# Allegro board S071AA-0413-20260427_Power.brd (continued)
## Nets (continued)
D10309: D103.09
D10310: D103.10
D10311: D103.11
D10312: D103.12
D10313: D103.13
D10314: D103.14
D10315: D103.15
D10316: D103.16
D10401: D104.01
D10402: D104.02
D10403: D104.03
D10404: D104.04
D10405: D104.05
D10406: D104.06
D10407: D104.07
D10408: D104.08
D10409: D104.09
D10410: D104.10
D10411: D104.11
D10412: D104.12
D10413: D104.13
D10414: D104.14
D10415: D104.15
D10416: D104.16
D10501: D105.01
D10502: D105.02
D10503: D105.03
D10504: D105.04
D10505: D105.05
D10506: D105.06
D10507: D105.07
D10508: D105.08
D10509: D105.09
D10510: D105.10
D10511: D105.11
D10512: D105.12
D10513: D105.13
D10514: D105.14
D10515: D105.15
D10516: D105.16
D10601: D106.01
D10602: D106.02
D10603: D106.03
D10604: D106.04
D10605: D106.05
D10606: D106.06
D10607: D106.07
D10608: D106.08
D10609: D106.09
D10610: D106.10
D10611: D106.11
D10612: D106.12
D10613: D106.13
D10614: D106.14
D10615: D106.15
D10616: D106.16
D10701: D107.01
D10702: D107.02
D10703: D107.03
D10704: D107.04
D10705: D107.05
D10706: D107.06
D10707: D107.07
D10708: D107.08
D10709: D107.09
D10710: D107.10
D10711: D107.11
D10712: D107.12
D10713: D107.13
D10714: D107.14
D10715: D107.15
D10716: D107.16
D10801: D108.01
D10802: D108.02
D10803: D108.03
D10804: D108.04
D10805: D108.05
D10806: D108.06
D10807: D108.07
D10808: D108.08
D10809: D108.09
D10810: D108.10
D10811: D108.11
D10812: D108.12
D10813: D108.13
D10814: D108.14
D10815: D108.15
D10816: D108.16
D10901: D109.01
D10902: D109.02
D10903: D109.03
D10904: D109.04
D10905: D109.05
D10906: D109.06
D10907: D109.07
D10908: D109.08
D10909: D109.09
D10910: D109.10
D10911: D109.11
D10912: D109.12
D10913: D109.13
D10914: D109.14
D10915: D109.15
D10916: D109.16
D11001: D110.01
D11002: D110.02
D11003: D110.03
D11004: D110.04
D11005: D110.05
D11006: D110.06
D11007: D110.07
D11008: D110.08
D11009: D110.09
D11010: D110.10
D11011: D110.11
D11012: D110.12
D11013: D110.13
D11014: D110.14
D11015: D110.15
D11016: D110.16
D11101: D111.01
D11102: D111.02
D11103: D111.03
D11104: D111.04
D11105: D111.05
D11106: D111.06
D11107: D111.07
D11108: D111.08
D11109: D111.09
D11110: D111.10
D11111: D111.11
D11112: D111.12
D11113: D111.13
D11114: D111.14
D11115: D111.15
D11116: D111.16
D11201: D112.01
D11202: D112.02
D11203: D112.03
D11204: D112.04
D11205: D112.05
D11206: D112.06
D11207: D112.07
D11208: D112.08
D11209: D112.09
D11210: D112.10
D11211: D112.11
D11212: D112.12
D11213: D112.13
D11214: D112.14
D11215: D112.15
D11216: D112.16
D11301: D113.01
D11302: D113.02
D11303: D113.03
D11304: D113.04
D11305: D113.05
D11306: D113.06
D11307: D113.07
D11308: D113.08
D11309: D113.09
D11310: D113.10
D11311: D113.11
D11312: D113.12
D11313: D113.13
D11314: D113.14
D11315: D113.15
D11316: D113.16
D11401: D114.01
D11402: D114.02
D11403: D114.03
D11404: D114.04
D11405: D114.05
D11406: D114.06
D11407: D114.07
D11408: D114.08
D11409: D114.09
D11410: D114.10
D11411: D114.11
D11412: D114.12
D11413: D114.13
D11414: D114.14
D11415: D114.15
D11416: D114.16
D11501: D115.01
D11502: D115.02
D11503: D115.03
D11504: D115.04
D11505: D115.05
D11506: D115.06
D11507: D115.07
D11508: D115.08
D11509: D115.09
D11510: D115.10
D11511: D115.11
D11512: D115.12
D11513: D115.13
D11514: D115.14
D11515: D115.15
D11516: D115.16
D11601: D116.01
D11602: D116.02
D11603: D116.03
D11604: D116.04
D11605: D116.05
D11606: D116.06
D11607: D116.07
D11608: D116.08
D11609: D116.09
D11610: D116.10
D11611: D116.11
D11612: D116.12
D11613: D116.13
D11614: D116.14
D11615: D116.15
D11616: D116.16 TR2.2 TR3.2
D11701: D117.01
D11702: D117.02
D11703: D117.03
D11704: D117.04
D11705: D117.05
D11706: D117.06
D11707: D117.07
D11708: D117.08
D11709: D117.09
D11710: D117.10
D11711: D117.11
D11712: D117.12
D11713: D117.13
D11714: D117.14
D11715: D117.15
D11716: D117.16
D11801: D118.01
D11802: D118.02
D11803: D118.03
D11804: D118.04
D11805: D118.05
D11806: D118.06
D11807: D118.07
D11808: D118.08
D11809: D118.09
D11810: D118.10
D11811: D118.11
D11812: D118.12
D11813: D118.13
D11814: D118.14
D11815: D118.15
D11816: D118.16
D11901: D119.01
D11902: D119.02
D11903: D119.03
D11904: D119.04
D11905: D119.05
D11906: D119.06
D11907: D119.07
D11908: D119.08
D11909: D119.09
D11910: D119.10
D11911: D119.11
D11912: D119.12
D11913: D119.13
D11914: D119.14
D11915: D119.15
D11916: D119.16
D12001: D120.01
D12002: D120.02
D12003: D120.03
D12004: D120.04
D12005: D120.05
D12006: D120.06
D12007: D120.07
D12008: D120.08
D12009: D120.09
D12010: D120.10
D12011: D120.11
D12012: D120.12
D12013: D120.13
D12014: D120.14
D12015: D120.15
D12016: D120.16
D12101: D121.01
D12102: D121.02
D12103: D121.03
D12104: D121.04
D12105: D121.05
D12106: D121.06
D12107: D121.07
D12108: D121.08
D12109: D121.09
D12110: D121.10
D12111: D121.11
D12112: D121.12
D12113: D121.13
D12114: D121.14
D12115: D121.15
D12116: D121.16
D12201: D122.01
D12202: D122.02
D12203: D122.03
D12204: D122.04
D12205: D122.05
D12206: D122.06
D12207: D122.07
D12208: D122.08
D12209: D122.09
D12210: D122.10
D12211: D122.11
D12212: D122.12
D12213: D122.13
D12214: D122.14
D12215: D122.15
D12216: D122.16
D12301: D123.01
D12302: D123.02
D12303: D123.03
D12304: D123.04
D12305: D123.05
D12306: D123.06
D12307: D123.07
D12308: D123.08
D12309: D123.09
D12310: D123.10
D12311: D123.11
D12312: D123.12
D12313: D123.13
D12314: D123.14
D12315: D123.15
D12316: D123.16
D12401: D124.01
D12402: D124.02
D12403: D124.03
D12404: D124.04
D12405: D124.05
D12406: D124.06
D12407: D124.07
D12408: D124.08
D12409: D124.09
D12410: D124.10
D12411: D124.11
D12412: D124.12
D12413: D124.13
D12414: D124.14
D12415: D124.15
D12416: D124.16
GPDPS1_1F: DPS1.A03 DPS1.B03 DPS1.C03 R162.2
GPDPS1_1GRD: DPS1.B02
GPDPS1_1GS: DPS1.A02 R163.2
GPDPS1_1S: DPS1.C02 R160.2
GPDPS1_2F: DPS1.A07 DPS1.B07 DPS1.C07 R155.2
GPDPS1_2GRD: DPS1.B06
GPDPS1_2GS: DPS1.A06 R157.2
GPDPS1_2S: DPS1.C06 R154.2
GPDPS1_3F: DPS1.A13 DPS1.B13 DPS1.C13 R143.2
GPDPS1_3GRD: DPS1.B12
GPDPS1_3GS: DPS1.A12 R145.2
GPDPS1_3S: DPS1.C12 R142.2
GPDPS1_4F: DPS1.A17 DPS1.B17 DPS1.C17 R137.2
GPDPS1_4GRD: DPS1.B16
GPDPS1_4GS: DPS1.A16 R139.2
GPDPS1_4S: DPS1.C16 R136.2
GPDPS1_TR+: DPS1.A09
GPDPS1_TRVB-: DPS1.B09 SB1.2
GPDPS1_VB+: DPS1.C09
GPDPS2_1F: DPS2.A03 DPS2.B03 DPS2.C03 R132.2
GPDPS2_1GRD: DPS2.B02
GPDPS2_1GS: DPS2.A02 R133.2
GPDPS2_1S: DPS2.C02 R130.2
GPDPS2_2F: DPS2.A07 DPS2.B07 DPS2.C07 R149.2
GPDPS2_2GRD: DPS2.B06
GPDPS2_2GS: DPS2.A06 R151.2
GPDPS2_2S: DPS2.C06 R148.2
GPDPS2_3F: DPS2.A13 DPS2.B13 DPS2.C13 R125.2
GPDPS2_3GRD: DPS2.B12
GPDPS2_3GS: DPS2.A12 R127.2
GPDPS2_3S: DPS2.C12 R124.2
GPDPS2_4F: DPS2.A17 DPS2.B17 DPS2.C17
GPDPS2_4GRD: DPS2.B16
GPDPS2_4GS: DPS2.A16
GPDPS2_4S: DPS2.C16
GPDPS2_TR+: DPS2.A09
GPDPS2_TRVB-: DPS2.B09 SB13.2
GPDPS2_VB+: DPS2.C09
GPDPS3_1F: DPS3.A03 DPS3.B03 DPS3.C03
GPDPS3_1GRD: DPS3.B02
GPDPS3_1GS: DPS3.A02
GPDPS3_1S: DPS3.C02
GPDPS3_2F: DPS3.A07 DPS3.B07 DPS3.C07
GPDPS3_2GRD: DPS3.B06
GPDPS3_2GS: DPS3.A06
GPDPS3_2S: DPS3.C06
GPDPS3_3F: DPS3.A13 DPS3.B13 DPS3.C13
GPDPS3_3GRD: DPS3.B12
GPDPS3_3GS: DPS3.A12
GPDPS3_3S: DPS3.C12
GPDPS3_4F: DPS3.A17 DPS3.B17 DPS3.C17
GPDPS3_4GRD: DPS3.B16
GPDPS3_4GS: DPS3.A16
GPDPS3_4S: DPS3.C16
GPDPS3_TR+: DPS3.A09
GPDPS3_TRVB-: DPS3.B09 SB14.2
GPDPS3_VB+: DPS3.C09
GPDPS8_1F: DPS8.A03 DPS8.B03 DPS8.C03
GPDPS8_1GRD: DPS8.B02
GPDPS8_1GS: DPS8.A02
GPDPS8_1S: DPS8.C02
GPDPS8_2F: DPS8.A07 DPS8.B07 DPS8.C07
GPDPS8_2GRD: DPS8.B06
GPDPS8_2GS: DPS8.A06
GPDPS8_2S: DPS8.C06
GPDPS8_3F: DPS8.A13 DPS8.B13 DPS8.C13
GPDPS8_3GRD: DPS8.B12
GPDPS8_3GS: DPS8.A12
GPDPS8_3S: DPS8.C12
GPDPS8_4F: DPS8.A17 DPS8.B17 DPS8.C17
GPDPS8_4GRD: DPS8.B16
GPDPS8_4GS: DPS8.A16
GPDPS8_4S: DPS8.C16
GPDPS8_TR+: DPS8.A09
GPDPS8_TRVB-: DPS8.B09 SB15.2
GPDPS8_VB+: DPS8.C09
S1_ADC1_VIN[0]: K1.8 SITE1.Y5(ADC1_VIN[0])
S1_ADC1_VIN[1]: K2.8 SITE1.W5(ADC1_VIN[1])
S1_ADC1_VIN[2]: K3.8 SITE1.V5(ADC1_VIN[2])
S1_ADC1_VIN[3]: K4.8 SITE1.V4(ADC1_VIN[3])
S1_ADC1_VIN[4]: K5.8 SITE1.W4(ADC1_VIN[4])
S1_ADC1_VIN[5]: K6.8 SITE1.Y4(ADC1_VIN[5])
S1_ADC1_VIN[6]: K7.8 SITE1.V3(ADC1_VIN[6])
S1_ADC1_VIN[7]: K8.8 SITE1.W3(ADC1_VIN[7])
S1_ADC1_VIN[8]: K9.8 SITE1.Y3(ADC1_VIN[8])
S1_ADC1_VIN[9]: K10.8 SITE1.Y2(ADC1_VIN[9])
S1_ADC1_VIN[10]: K11.8 SITE1.Y1(ADC1_VIN[10])
S1_ADC1_VIN[11]: K12.8 SITE1.W2(ADC1_VIN[11])
S1_ADC1_VIN[12]: K13.8 SITE1.W1(ADC1_VIN[12])
S1_ADC1_VIN[13]: K14.8 SITE1.V2(ADC1_VIN[13])
S1_ADC1_VIN[14]: K15.8 SITE1.V1(ADC1_VIN[14])
S1_ADC1_VIN[15]: K16.8 SITE1.U5(ADC1_VIN[15])
S1_ADC1_VIN[16]: K17.8 SITE1.U4(ADC1_VIN[16])
S1_ADC1_VIN[17]: K18.8 SITE1.U3(ADC1_VIN[17])
S1_ADC1_VIN[18]: K19.8 SITE1.U2(ADC1_VIN[18])
S1_ADC1_VIN[19]: K20.8 SITE1.U1(ADC1_VIN[19])
S1_ADC1_VIN[20]: K21.8 SITE1.T4(ADC1_VIN[20])
S1_ADC1_VIN[21]: K22.8 SITE1.T3(ADC1_VIN[21])
S1_ADC1_VIN[22]: K23.8 SITE1.T2(ADC1_VIN[22])
S1_ADC1_VIN[23]: K24.8 SITE1.T1(ADC1_VIN[23])
S1_ADC1_VIN[24]: K25.8 SITE1.R4(ADC1_VIN[24])
S1_ADC1_VIN[25]: K26.8 SITE1.R3(ADC1_VIN[25])
S1_ADC1_VIN[26]: K27.8 SITE1.R2(ADC1_VIN[26])
S1_ADC1_VIN[27]: K28.8 SITE1.R1(ADC1_VIN[27])
S1_ADC1_VIN[28]: K29.8 SITE1.P4(ADC1_VIN[28])
S1_ADC1_VIN[29]: K30.8 SITE1.P3(ADC1_VIN[29])
S1_ADC1_VIN[30]: K31.8 SITE1.P2(ADC1_VIN[30])
S1_ADC1_VIN[31]: K32.8 SITE1.P1(ADC1_VIN[31])
S1_ADC2_VIN[0]: K33.8 SITE1.Y7(ADC2_VIN[0])
S1_ADC2_VIN[1]: K34.8 SITE1.W7(ADC2_VIN[1])
S1_ADC2_VIN[2]: K35.8 SITE1.V7(ADC2_VIN[2])
S1_ADC2_VIN[3]: K36.8 SITE1.U7(ADC2_VIN[3])
S1_ADC2_VIN[4]: K37.8 SITE1.Y8(ADC2_VIN[4])
S1_ADC2_VIN[5]: K38.8 SITE1.W8(ADC2_VIN[5])
S1_ADC2_VIN[6]: K39.8 SITE1.V8(ADC2_VIN[6])
S1_ADC2_VIN[7]: K40.8 SITE1.U8(ADC2_VIN[7])
S1_ADC2_VIN[8]: K41.8 SITE1.Y9(ADC2_VIN[8])
S1_ADC2_VIN[9]: K42.8 SITE1.W9(ADC2_VIN[9])
S1_ADC2_VIN[10]: K43.8 SITE1.V9(ADC2_VIN[10])
S1_ADC2_VIN[11]: K44.8 SITE1.U9(ADC2_VIN[11])
S1_CBIT001: K1.1(V-) LD1.2(B)
S1_CBIT002: K2.1(V-) LD2.2(B)
S1_CBIT003: K3.1(V-) LD3.2(B)
S1_CBIT004: K4.1(V-) LD4.2(B)
S1_CBIT005: K5.1(V-) LD5.2(B)
S1_CBIT006: K6.1(V-) LD6.2(B)
S1_CBIT007: K7.1(V-) LD7.2(B)
S1_CBIT008: K8.1(V-) LD8.2(B)
S1_CBIT009: K9.1(V-) LD9.2(B)
S1_CBIT010: K10.1(V-) LD10.2(B)
S1_CBIT011: K11.1(V-) LD11.2(B)
S1_CBIT012: K12.1(V-) LD12.2(B)
S1_CBIT013: K13.1(V-) LD13.2(B)
S1_CBIT014: K14.1(V-) LD14.2(B)
S1_CBIT015: K15.1(V-) LD15.2(B)
S1_CBIT016: K16.1(V-) LD16.2(B)
S1_CBIT017: K17.1(V-) LD17.2(B)
S1_CBIT018: K18.1(V-) LD18.2(B)
S1_CBIT019: K19.1(V-) LD19.2(B)
S1_CBIT020: K20.1(V-) LD20.2(B)
S1_CBIT021: K21.1(V-) LD21.2(B)
S1_CBIT022: K22.1(V-) LD22.2(B)
S1_CBIT023: K23.1(V-) LD23.2(B)
S1_CBIT024: K24.1(V-) LD24.2(B)
S1_CBIT025: K25.1(V-) LD25.2(B)
S1_CBIT026: K26.1(V-) LD26.2(B)
S1_CBIT027: K27.1(V-) LD27.2(B)
S1_CBIT028: K28.1(V-) LD28.2(B)
S1_CBIT029: K29.1(V-) LD29.2(B)
S1_CBIT030: K30.1(V-) LD30.2(B)
S1_CBIT031: K31.1(V-) LD31.2(B)
S1_CBIT032: K32.1(V-) LD32.2(B)
S1_CBIT033: K33.1(V-) LD33.2(B)
S1_CBIT034: K34.1(V-) LD34.2(B)
S1_CBIT035: K35.1(V-) LD35.2(B)
S1_CBIT036: K36.1(V-) LD36.2(B)
S1_CBIT037: K37.1(V-) LD37.2(B)
S1_CBIT038: K38.1(V-) LD38.2(B)
S1_CBIT039: K39.1(V-) LD39.2(B)
S1_CBIT040: K40.1(V-) LD40.2(B)
S1_CBIT041: K41.1(V-) LD41.2(B)
S1_CBIT042: K42.1(V-) LD42.2(B)
S1_CBIT043: K43.1(V-) LD43.2(B)
S1_CBIT044: K44.1(V-) LD44.2(B)
S1_CBIT045: K45.8(V-) LD45.2(B)
S1_CBIT046: K46.8(V-) LD46.2(B)
S1_CSDPS1-1F: R126.2
S1_CSDPS1-1GS: R128.2
S1_CSDPS1-1S: R123.2
S1_CSDPS2-1F: R131.2
S1_CSDPS2-1GS: R134.2
S1_CSDPS2-1S: R129.2
S1_CSDPS3-1F: R138.2
S1_CSDPS3-1GS: R140.2
S1_CSDPS3-1S: R135.2
S1_CSDPS4-1F: R144.2
S1_CSDPS4-1GS: R146.2
S1_CSDPS4-1S: R141.2
S1_CSDPS5-1F: R150.2
S1_CSDPS5-1GS: R152.2
S1_CSDPS5-1S: R147.2
S1_CSDPS6-1F: R156.2
S1_CSDPS6-1GS: R158.2
S1_CSDPS6-1S: R153.2
S1_CSDPS7-1F: R161.2
S1_CSDPS7-1GS: R164.2
S1_CSDPS7-1S: R159.2
S1_DCH001: K1.4
S1_DCH002: K2.4
S1_DCH003: K3.4
S1_DCH004: K4.4
S1_DCH005: K5.4
S1_DCH006: K6.4
S1_DCH007: K7.4
S1_DCH008: K8.4
S1_DCH009: K9.4
S1_DCH010: K10.4
S1_DCH011: K11.4
S1_DCH012: K12.4
S1_DCH013: K13.4
S1_DCH014: K14.4
S1_DCH015: K15.4
S1_DCH016: K16.4
S1_DCH017: K17.4
S1_DCH018: K18.4
S1_DCH019: K19.4
S1_DCH020: K20.4
S1_DCH021: K21.4
S1_DCH022: K22.4
S1_DCH023: K23.4
S1_DCH024: K24.4
S1_DCH025: K25.4
S1_DCH026: K26.4
S1_DCH027: K27.4
S1_DCH028: K28.4
S1_DCH029: K29.4
S1_DCH030: K30.4
S1_DCH031: K31.4
S1_DCH032: K32.4
S1_DCH033: K33.4
S1_DCH034: K34.4
S1_DCH035: K35.4
S1_DCH036: K36.4
S1_DCH037: K37.4
S1_DCH038: K38.4
S1_DCH039: K39.4
S1_DCH040: K40.4
S1_DCH041: K41.4
S1_DCH042: K42.4
S1_DCH043: K43.4
S1_DCH044: K44.4
S1_DCH045: SITE1.N20(PIO_A[0])
S1_DCH046: SITE1.P20(PIO_A[1])
S1_DCH047: SITE1.L18(PIO_A[2])
S1_DCH048: SITE1.R20(PIO_A[3])
S1_DCH049: SITE1.K18(PIO_A[4])
S1_DCH050: SITE1.N19(PIO_A[5])
S1_DCH051: SITE1.K17(PIO_A[6])
S1_DCH052: SITE1.P19(PIO_A[7])
S1_DCH053: SITE1.M17(PIO_B[0])
S1_DCH054: SITE1.T19(PIO_B[1])
S1_DCH055: SITE1.R17(PIO_B[2])
S1_DCH056: SITE1.U19(PIO_B[3])
S1_DCH057: SITE1.R18(PIO_B[4])
S1_DCH058: SITE1.U20(PIO_B[5])
S1_DCH059: SITE1.T18(PIO_B[6])
S1_DCH060: SITE1.V20(PIO_B[7])
S1_DCH061: SITE1.M18(PIO_C[0])
S1_DCH062: SITE1.L17(PIO_C[1])
S1_DCH063: SITE1.R19(PIO_C[2])
S1_DCH064: SITE1.T20(PIO_C[3])
S1_DCH065: SITE1.M19(PIO_C[4])
S1_DCH066: SITE1.M20(PIO_C[5])
S1_DCH067: SITE1.L19(PIO_C[6])
S1_DCH068: SITE1.L20(PIO_C[7])
S1_DCH069: SITE1.G20(PIO_D[0])
S1_DCH070: SITE1.H20(PIO_D[1])
S1_DCH071: SITE1.J20(PIO_D[2])
S1_DCH072: SITE1.K20(PIO_D[3])
S1_DCH073: SITE1.H19(PIO_D[4])
S1_DCH074: SITE1.J19(PIO_D[5])
S1_DCH075: SITE1.K19(PIO_D[6])
S1_DCH076: SITE1.H18(PIO_D[7])
S1_DCH077: SITE1.J18(PIO_E[0])
S1_DCH078: SITE1.H17(PIO_E[1])
S1_DCH079: SITE1.J17(PIO_E[2])
S1_DCH080: SITE1.M16(PIO_E[3])
S1_DCH081: SITE1.L16(PIO_E[4])
S1_DCH082: SITE1.K16(PIO_E[5])
S1_DCH083: SITE1.J16(PIO_E[6])
S1_DCH084: SITE1.H16(PIO_E[7])
S1_DCH085: SITE1.E2(PIO_F[0])
S1_DCH086: SITE1.F3(PIO_F[1])
S1_DCH087: SITE1.C1(PIO_F[2])
S1_DCH088: SITE1.D3(PIO_F[3])
S1_DCH089: SITE1.E4(PIO_F[4])
S1_DCH090: SITE1.A3(PIO_F[5])
S1_DCH091: SITE1.C3(PIO_F[6])
S1_DCH092: SITE1.D5(PIO_F[7])
S1_DCH093: SITE1.D1(PIO_G[0])
S1_DCH094: SITE1.D2(PIO_G[1])
S1_DCH095: SITE1.B1(PIO_G[2])
S1_DCH096: SITE1.E3(PIO_G[3])
S1_DCH097: SITE1.A2(PIO_G[4])
S1_DCH098: SITE1.B3(PIO_G[5])
S1_DCH099: SITE1.B4(PIO_G[6])
S1_DCH100: SITE1.H2(PIO_G[7])
S1_DCH101: SITE1.G4(PIO_H[0])
S1_DCH102: SITE1.F4(PIO_H[1])
S1_DCH103: SITE1.C2(PIO_H[2])
S1_DCH104: SITE1.A1(PIO_H[3])
S1_DCH105: SITE1.A4(PIO_H[4])
S1_DCH106: SITE1.C4(PIO_H[5])
S1_DCH107: SITE1.H1(PIO_H[6])
S1_DCH108: SITE1.G1(PIO_H[7])
S1_DCH109: SITE1.B2(PIO_I[0])
S1_DCH110: SITE1.D4(PIO_I[1])
S1_DCH111: SITE1.A5(PIO_I[2])
S1_DCH112: SITE1.J3(PIO_I[3])
S1_DCH113: SITE1.J4(PIO_I[4])
S1_DCH114: SITE1.G2(PIO_I[5])
S1_DCH115: SITE1.F1(PIO_I[6])
S1_DCH116: SITE1.H3(PIO_I[7])
S1_DCH117: SITE1.G3(PIO_J[0])
S1_DCH118: SITE1.H4(PIO_J[1])
S1_DCH119: SITE1.E1(PIO_J[2])
S1_DCH120: SITE1.F2(PIO_J[3])
S1_DCH121: SITE1.V13(PIO_J[4])
S1_DCH122: SITE1.Y14(PIO_J[5])
S1_DCH123: SITE1.U13(PIO_J[6])
S1_DCH124: SITE1.W14(PIO_J[7])
S1_DCH125: SITE1.U12(PIO_K[0])
S1_DCH126: SITE1.Y13(PIO_K[1])
S1_DCH127: SITE1.W13(PIO_K[2])
S1_DCH128: SITE1.U11(PIO_K[3])
S1_DCH129: SITE1.V11(PIO_K[4])
S1_DCH130: SITE1.W11(PIO_K[5])
S1_DCH131: SITE1.W12(PIO_K[6])
S1_DCH132: SITE1.V12(PIO_K[7])
S1_DCH133: SITE1.B7(PIO_L[0])
S1_DCH134: SITE1.A7(PIO_L[1])
S1_DCH135: SITE1.D8(PIO_L[2])
S1_DCH136: SITE1.C8(PIO_L[3])
S1_DCH137: SITE1.B8(PIO_L[4])
S1_DCH138: SITE1.A8(PIO_L[5])
S1_DCH139: SITE1.B9(PIO_L[6])
S1_DCH140: SITE1.A9(PIO_L[7])
S1_DCH141: SITE1.D7(PIO_M[0])
S1_DCH142: SITE1.C7(PIO_M[1])
S1_DCH143: SITE1.D6(PIO_M[2])
S1_DCH144: SITE1.C6(PIO_M[3])
S1_DCH145: SITE1.B6(PIO_M[4])
S1_DCH146: SITE1.A6(PIO_M[5])
S1_DCH147: SITE1.C5(PIO_M[6])
S1_DCH148: SITE1.B5(PIO_M[7])
S1_DCH149: SITE1.V14(PIO_N[0])
S1_DCH150: SITE1.U14(PIO_N[1])
S1_DCH151: SITE1.Y15(PIO_N[2])
S1_DCH152: SITE1.W15(PIO_N[3])
S1_DCH153: SITE1.V15(PIO_N[4])
S1_DCH154: SITE1.U15(PIO_N[5])
S1_DCH155: SITE1.Y16(PIO_N[6])
S1_DCH156: SITE1.W16(PIO_N[7])
S1_DCH157: SITE1.V16(PIO_O[0])
S1_DCH158: SITE1.U16(PIO_O[1])
S1_DCH159: SITE1.W17(PIO_O[2])
S1_DCH160: SITE1.Y17(PIO_O[3])
S1_DCH161: SITE1.Y18(PIO_O[4])
S1_DCH162: SITE1.Y19(PIO_O[5])
S1_DCH163: SITE1.V17(PIO_O[6])
S1_DCH164: SITE1.W18(PIO_O[7])
S1_DCH165: SITE1.T17(PIO_P[0])
S1_DCH166: SITE1.W20(PIO_P[1])
S1_DCH167: SITE1.W19(PIO_P[2])
S1_DCH168: SITE1.U17(PIO_P[3])
S1_DCH169: SITE1.U18(PIO_P[4])
S1_DCH170: SITE1.V19(PIO_P[5])
S1_DCH171: SITE1.Y20(PIO_P[6])
S1_DCH172: SITE1.V18(PIO_P[7])
S1_DCH173: SITE1.L4(PIO_Q[0])
S1_DCH174: SITE1.L3(PIO_Q[1])
S1_DCH175: SITE1.K4(PIO_Q[2])
S1_DCH176: SITE1.K3(PIO_Q[3])
S1_DCH177: SITE1.K2(PIO_Q[4])
S1_DCH178: SITE1.K1(PIO_Q[5])
S1_DCH179: SITE1.J2(PIO_Q[6])
S1_DCH180: SITE1.J1(PIO_Q[7])
S1_DCH181: SITE1.M1(PIO_R[0])
S1_DCH182: SITE1.M2(PIO_R[1])
S1_DCH183: SITE1.L1(PIO_R[2])
S1_DCH184: SITE1.L2(PIO_R[3])
S1_DCH185: SITE1.A17(PIO_R[4])
S1_DCH186: SITE1.C14(PIO_R[5])
S1_DCH187: SITE1.B13(PIO_R[6])
S1_DCH188: SITE1.A16(PIO_R[7])
S1_DCH189: SITE1.A10(PIO_S[0])
S1_DCH190: SITE1.B11(PIO_S[1])
S1_DCH191: SITE1.B10(PIO_S[2])
S1_DCH192: SITE1.C10(PIO_S[3])
S1_DCH193: SITE1.C9(PIO_S[4])
S1_DCH194: SITE1.D9(PIO_S[5])
S1_DCH195: SITE1.C15(PIO_T[0])
S1_DCH196: SITE1.D14(PIO_T[1])
S1_DCH197: SITE1.B15(PIO_T[2])
S1_DCH198: SITE1.A15(PIO_T[3])
S1_DCH199: SITE1.D13(PIO_T[4])
S1_DCH200: SITE1.D12(PIO_T[5])
S1_DCH201: SITE1.B14(PIO_T[6])
S1_DCH202: SITE1.A13(PIO_T[7])
S1_DCH203: SITE1.C13(PIO_U[0])
S1_DCH204: SITE1.A14(PIO_U[1])
S1_DCH205: SITE1.C16(PIO_U[2])
S1_DCH206: SITE1.A19(PIO_U[3])
S1_DCH207: SITE1.D17(PIO_U[4])
S1_DCH208: SITE1.D15(PIO_U[5])
S1_DCH209: SITE1.A18(PIO_U[6])
S1_DCH210: SITE1.B16(PIO_U[7])
S1_DCH211: SITE1.B17(PIO_V[0])
S1_DCH212: SITE1.C17(PIO_V[1])
S1_DCH213: SITE1.D18(PIO_V[2])
S1_DCH214: SITE1.C18(PIO_V[3])
S1_DCH215: SITE1.B18(PIO_V[4])
S1_DCH216: SITE1.A20(PIO_V[5])
S1_DCH217: SITE1.B19(PIO_V[6])
S1_DCH218: SITE1.B20(PIO_V[7])
S1_DCH219: SITE1.D16(PIO_W[0])
S1_DCH220: SITE1.C19(PIO_W[1])
S1_DCH221: SITE1.D19(PIO_W[2])
S1_DCH222: SITE1.E20(PIO_W[3])
S1_DCH223: SITE1.C20(PIO_W[4])
S1_DCH224: SITE1.D20(PIO_W[5])
S1_DCH225: SITE1.E18(PIO_W[6])
S1_DCH226: SITE1.E19(PIO_W[7])
S1_DCH227: SITE1.E17(PIO_X[0])
S1_DCH228: SITE1.F17(PIO_X[1])
S1_DCH229: SITE1.G17(PIO_X[2])
S1_DCH230: SITE1.G18(PIO_X[3])
S1_DCH231: SITE1.F18(PIO_X[4])
S1_DCH232: SITE1.G19(PIO_X[5])
S1_DCH233: SITE1.F19(PIO_X[6])
S1_DCH234: SITE1.F20(PIO_X[7])
S1_DCH235: SITE1.A11(RESET)
S1_DCH236: SITE1.C12(TCK)
S1_DCH237: SITE1.D11(TDI)
S1_DCH238: SITE1.C11(TDO)
S1_DCH239: SITE1.D10(TMS)
S1_DCH240: SITE1.B12(TRST)
S1_DCH241: SITE1.Y11(XIN)
S1_DCH242: SITE1.E11(BUS_SEL)
S1_DCH243: SITE1.E10(CLK_EN)
S1_DCH244: SITE1.A12(MODE_SELECT)
S1_DCH245: K45.2
S1_DCH246: K46.4 K46.5
S1_DPS11: C38.1 C39.1 C40.1 C41.1 C42.1 C43.1 C44.1 C45.1 C46.1 C47.1 C48.1 C49.1 C80.1 C81.1 C82.1 C83.1 C84.1 C85.1 R161.1 R162.1 SH15.1 SITE1.H8(VCCK[1]) SITE1.H9(VCCK[2]) SITE1.H12(VCCK[3]) SITE1.H13(VCCK[4]) SITE1.J8(VCCK[5]) SITE1.J9(VCCK[6]) SITE1.J12(VCCK[7]) SITE1.J13(VCCK[8]) SITE1.M8(VCCK[9]) SITE1.M9(VCCK[10]) SITE1.M12(VCCK[11]) SITE1.N8(VCCK[12]) TP_DPS11.1(TP)
S1_DPS12: C20.1 C21.1 C22.1 C23.1 C24.1 C25.1 C26.1 C27.1 C28.1 C29.1 C30.1 C31.1 C32.1 C33.1 C34.1 C35.1 C36.1 C37.1 C74.1 C75.1 C76.1 C77.1 C78.1 C79.1 R155.1 R156.1 SH13.1 SITE1.E7(VCC3IO[1]) SITE1.E8(VCC3IO[2]) SITE1.E12(VCC3IO[3]) SITE1.E15(VCC3IO[4]) SITE1.E16(VCC3IO[5]) SITE1.F5(VCC3IO[6]) SITE1.G5(VCC3IO[7]) SITE1.K5(VCC3IO[8]) SITE1.L5(VCC3IO[9]) SITE1.N16(VCC3IO[10]) SITE1.N17(VCC3IO[11]) SITE1.N18(VCC3IO[12]) SITE1.P16(VCC3IO[13]) SITE1.P17(VCC3IO[14]) SITE1.P18(VCC3IO[15]) SITE1.R16(VCC3IO[16]) SITE1.T12(VCC3IO_OSC) SITE1.T16(VCC3IO[17]) TP_DPS12.1(TP)
S1_DPS13: C15.1 C16.1 C17.1 C18.1 C62.1 C63.1 C64.1 C65.1 C66.1 C67.1 R143.1 R144.1 SH9.1 SITE1.N9(VCC33D_ADC32) SITE1.R5(VCC33A_ADC32) SITE1.T5(XVRT_ADC32) TP_DPS13.1(TP)
S1_DPS14: C11.1 C12.1 C13.1 C14.1 C56.1 C57.1 C58.1 C59.1 C60.1 C61.1 R137.1 R138.1 SH7.1 SITE1.N12(VCC33D_ADC12) SITE1.T8(VCC33A_ADC12) SITE1.T9(XVRT_ADC12) TP_DPS14.1(TP)
S1_DPS21: C10.1 C50.1 C51.1 C52.1 C53.1 C54.1 C55.1 R131.1 R132.1 SH5.1 SITE1.T13(VCC12A_SCG) TP_DPS21.1(TP)
S1_DPS22: C19.1 C68.1 C69.1 C70.1 C71.1 C72.1 C73.1 R149.1 R150.1 SH11.1 SITE1.M13(VCC33A_REG) TP_DPS22.1(TP)
S1_DPS23: C1.1 C3.1 C4.1 C5.1 C6.1 C7.1 C8.1 C9.1 OSC1.4(VDD) R125.1 R126.1 SH3.1 TP_DPS23.1(TP)
S1_VCC12A_O_REG: C2.1 K46.3 K46.6 SITE1.N13(VCC12A_O_REG)
S1_XOUT: K45.3 SITE1.Y12(XOUT)
UDBGND: BDB4.2 BDB19.2 BDB20.2 BDB21.2 BDB42.2 BDB43.2 BDB44.2 BDB45.2 CB1.2 CB2.2 CB3.2 CB4.2 CB5.2 CB6.2 CB7.2 CB8.2 LDB1.2(B) UB1.1(NC) UB1.2(A1/NC) UB1.3(A2) UB1.4(GND) UB1.7(WP) UHC230.B2(GND2) UHC230.D2(GND1) UHC430.B2(GND2) UHC430.D2(GND1) UTL1.A02 UTL1.A08 UTL1.A10 UTL1.A12 UTL1.A14 UTL1.B01 UTL1.B07 UTL1.B09 UTL1.B11 UTL1.B13 UTL2.A02 UTL2.A08 UTL2.A10 UTL2.A12 UTL2.A14 UTL2.B01 UTL2.B07 UTL2.B09 UTL2.B11 UTL2.B13 UTL3.A02 UTL3.A08 UTL3.A10 UTL3.A12 UTL3.A14 UTL3.B01 UTL3.B07 UTL3.B09 UTL3.B11 UTL3.B13 UTL4.A02 UTL4.A08 UTL4.A10 UTL4.A12 UTL4.A14 UTL4.B01 UTL4.B07 UTL4.B09 UTL4.B11 UTL4.B13 XC1.1
UHC230A_CMON3: UHC230.C2(CMON3)
UHC230A_CMON4: UHC230.A2(CMON4)
UHC230A_DS3+: UHC230.B1(+DS3)
UHC230A_DS3-: UHC230.A1(-DS3)
UHC230A_DS4+: UHC230.B3(+DS4)
UHC230A_DS4-: UHC230.A3(-DS4)
UHC230A_DUT_CAP_ON_3: UHC230.D4(DUT_CAP_ON_3)
UHC230A_DUT_CAP_ON_4: UHC230.A4(DUT_CAP_ON_4)
UHC230A_GANG_OUT: UHC230.B4(GANG_OUT)
UHC230A_GS3: UHC230.C1(GS3)
UHC230A_GS4: UHC230.C3(GS4)
UHC230A_P3: UHC230.P3 UHC230.P3_1 UHC230.P3_2 UHC230.P3_3 UHC230.P3_4 UHC230.P3_5 UHC230.P3_6 UHC230.P3_7 UHC230.P3_8 UHC230.P3_9 UHC230.P3_10 UHC230.P3_11 UHC230.P3_12 UHC230.P3_13 UHC230.P3_14 UHC230.P3_15 UHC230.P3_16 UHC230.P3_17 UHC230.P3_18
UHC230A_P4: UHC230.P4 UHC230.P4_1 UHC230.P4_2 UHC230.P4_3 UHC230.P4_4 UHC230.P4_5 UHC230.P4_6 UHC230.P4_7 UHC230.P4_8 UHC230.P4_9 UHC230.P4_10 UHC230.P4_11 UHC230.P4_12 UHC230.P4_13 UHC230.P4_14 UHC230.P4_15 UHC230.P4_16 UHC230.P4_17 UHC230.P4_18
UHC230A_PS3: UHC230.D1(PS3)
UHC230A_PS4: UHC230.D3(PS4)
UHC230A_SAFETY_LINE: UHC230.C4(SAFETY_LINE)
UHC430B_CMON1: UHC430.C2(CMON1)
UHC430B_CMON2: UHC430.A2(CMON2)
UHC430B_DS1+: UHC430.B1(+DS1)
UHC430B_DS1-: UHC430.A1(-DS1)
UHC430B_DS2+: UHC430.B3(+DS2)
UHC430B_DS2-: UHC430.A3(-DS2)
UHC430B_DUT_CAP_ON_1: UHC430.D4(DUT_CAP_ON_1)
UHC430B_DUT_CAP_ON_2: UHC430.A4(DUT_CAP_ON_2)
UHC430B_GANG_IN: UHC430.B4(GANG_IN)
UHC430B_GS1: UHC430.C1(GS1)
UHC430B_GS2: UHC430.C3(GS2)
UHC430B_P1: UHC430.P1 UHC430.P1_1 UHC430.P1_2 UHC430.P1_3 UHC430.P1_4 UHC430.P1_5 UHC430.P1_6 UHC430.P1_7 UHC430.P1_8 UHC430.P1_9 UHC430.P1_10 UHC430.P1_11 UHC430.P1_12 UHC430.P1_13 UHC430.P1_14 UHC430.P1_15 UHC430.P1_16 UHC430.P1_17 UHC430.P1_18
UHC430B_P2: UHC430.P2 UHC430.P2_1 UHC430.P2_2 UHC430.P2_3 UHC430.P2_4 UHC430.P2_5 UHC430.P2_6 UHC430.P2_7 UHC430.P2_8 UHC430.P2_9 UHC430.P2_10 UHC430.P2_11 UHC430.P2_12 UHC430.P2_13 UHC430.P2_14 UHC430.P2_15 UHC430.P2_16 UHC430.P2_17 UHC430.P2_18
UHC430B_PS1: UHC430.D1(PS1)
UHC430B_PS2: UHC430.D3(PS2)
UT1_PDCF: UTL1.B15
UT1_PDCS: UTL1.A15
UT1_PGDS: UTL1.A16
UT1_PGRD: UTL1.B16
UT1_UP5V: CB1.1 CB2.1 CB3.1 CB4.1 CB5.1 CB6.1 CB7.1 CB8.1 K1.3(V+) K2.3(V+) K3.3(V+) K4.3(V+) K5.3(V+) K6.3(V+) K7.3(V+) K8.3(V+) K9.3(V+) K10.3(V+) K11.3(V+) K12.3(V+) K13.3(V+) K14.3(V+) K15.3(V+) K16.3(V+) K17.3(V+) K18.3(V+) K19.3(V+) K20.3(V+) K21.3(V+) K22.3(V+) K23.3(V+) K24.3(V+) K25.3(V+) K26.3(V+) K27.3(V+) K28.3(V+) K29.3(V+) K30.3(V+) K31.3(V+) K32.3(V+) K33.3(V+) K34.3(V+) K35.3(V+) K36.3(V+) K37.3(V+) K38.3(V+) K39.3(V+) K40.3(V+) K41.3(V+) K42.3(V+) K43.3(V+) K44.3(V+) K45.1(V+) K46.1(V+) KS1.1(V+) KS2.1(V+) KS3.3(V+) KS4.3(V+) LRB1.2 LRB2.1 LRB3.1 LRB4.1 LRB5.1 R1.2 R2.2 R3.2 R4.2 R5.2 R6.2 R7.2 R8.2 R9.2 R10.2 R11.2 R12.2 R13.2 R14.2 R15.2 R16.2 R17.2 R18.2 R19.2 R20.2 R21.2 R22.2 R23.2 R24.2 R25.2 R26.2 R27.2 R28.2 R29.2 R30.2 R31.2 R32.2 R33.2 R34.2 R35.2 R36.2 R37.2 R38.2 R39.2 R40.2 R41.2 R42.2 R43.2 R44.2 R45.2 R46.2 RB1.1 RB2.1 UB1.8(VCC) UHC430.C4(+5V) UT_UP5V1.1(TP) UTL1.A05 UTL1.B04 UTL2.A05 UTL2.B04 UTL3.A05 UTL3.B04 UTL4.A05 UTL4.B04 XC1.2
UT1_URW00: KS1.9(V-) LDB2.2(B) UTL1.A01
UT1_URW01: KS2.9(V-) LDB3.2(B) UTL1.B02
UT1_URW02: KS3.1(V-) LDB4.2(B) UTL1.A03
UT1_URW03: KS4.1(V-) LDB5.2(B) UTL1.B03
UT1_URW04: UTL1.A04
UT1_URW05: UTL1.B05
UT1_URW06: UTL1.A06
UT1_UW07: UTL1.B06
UT1_UW08: UTL1.A07
UT1_UW09: UTL1.B08
UT1_UW10: UTL1.A09
UT1_UW11: UTL1.B10
UT1_UW12: UTL1.A11
UT1_UW13: UTL1.B12
UT1_UW14: RB1.2 UB1.6(SCL) UTL1.A13
UT1_UW15: RB2.2 UB1.5(SDA) UTL1.B14
UT2_PDCF: UTL2.B15
UT2_PDCS: UTL2.A15
UT2_PGDS: UTL2.A16
UT2_PGRD: UTL2.B16
UT2_URW00: UTL2.A01
UT2_URW01: UTL2.B02
UT2_URW02: UTL2.A03
UT2_URW03: UTL2.B03
UT2_URW04: UTL2.A04
UT2_URW05: UTL2.B05
UT2_URW06: UTL2.A06
UT2_UW07: UTL2.B06
UT2_UW08: UTL2.A07
UT2_UW09: UTL2.B08
UT2_UW10: UTL2.A09
UT2_UW11: UTL2.B10
UT2_UW12: UTL2.A11
UT2_UW13: UTL2.B12
UT2_UW14: UTL2.A13
UT2_UW15: UTL2.B14
UT3_PDCF: UTL3.B15
UT3_PDCS: UTL3.A15
UT3_PGDS: UTL3.A16
UT3_PGRD: UTL3.B16
UT3_URW00: UTL3.A01
UT3_URW01: UTL3.B02
UT3_URW02: UTL3.A03
UT3_URW03: UTL3.B03
UT3_URW04: UTL3.A04
UT3_URW05: UTL3.B05
UT3_URW06: UTL3.A06
UT3_UW07: UTL3.B06
UT3_UW08: UTL3.A07
UT3_UW09: UTL3.B08
UT3_UW10: UTL3.A09
UT3_UW11: UTL3.B10
UT3_UW12: UTL3.A11
UT3_UW13: UTL3.B12
UT3_UW14: UTL3.A13
UT3_UW15: UTL3.B14
UT4_PDCF: UTL4.B15
UT4_PDCS: UTL4.A15
UT4_PGDS: UTL4.A16
UT4_PGRD: UTL4.B16
UT4_URW00: UTL4.A01
UT4_URW01: UTL4.B02
UT4_URW02: UTL4.A03
UT4_URW03: UTL4.B03
UT4_URW04: UTL4.A04
UT4_URW05: UTL4.B05
UT4_URW06: UTL4.A06
